# Altium PCB MB1936.PcbDoc (part 10 of 13) (continued)
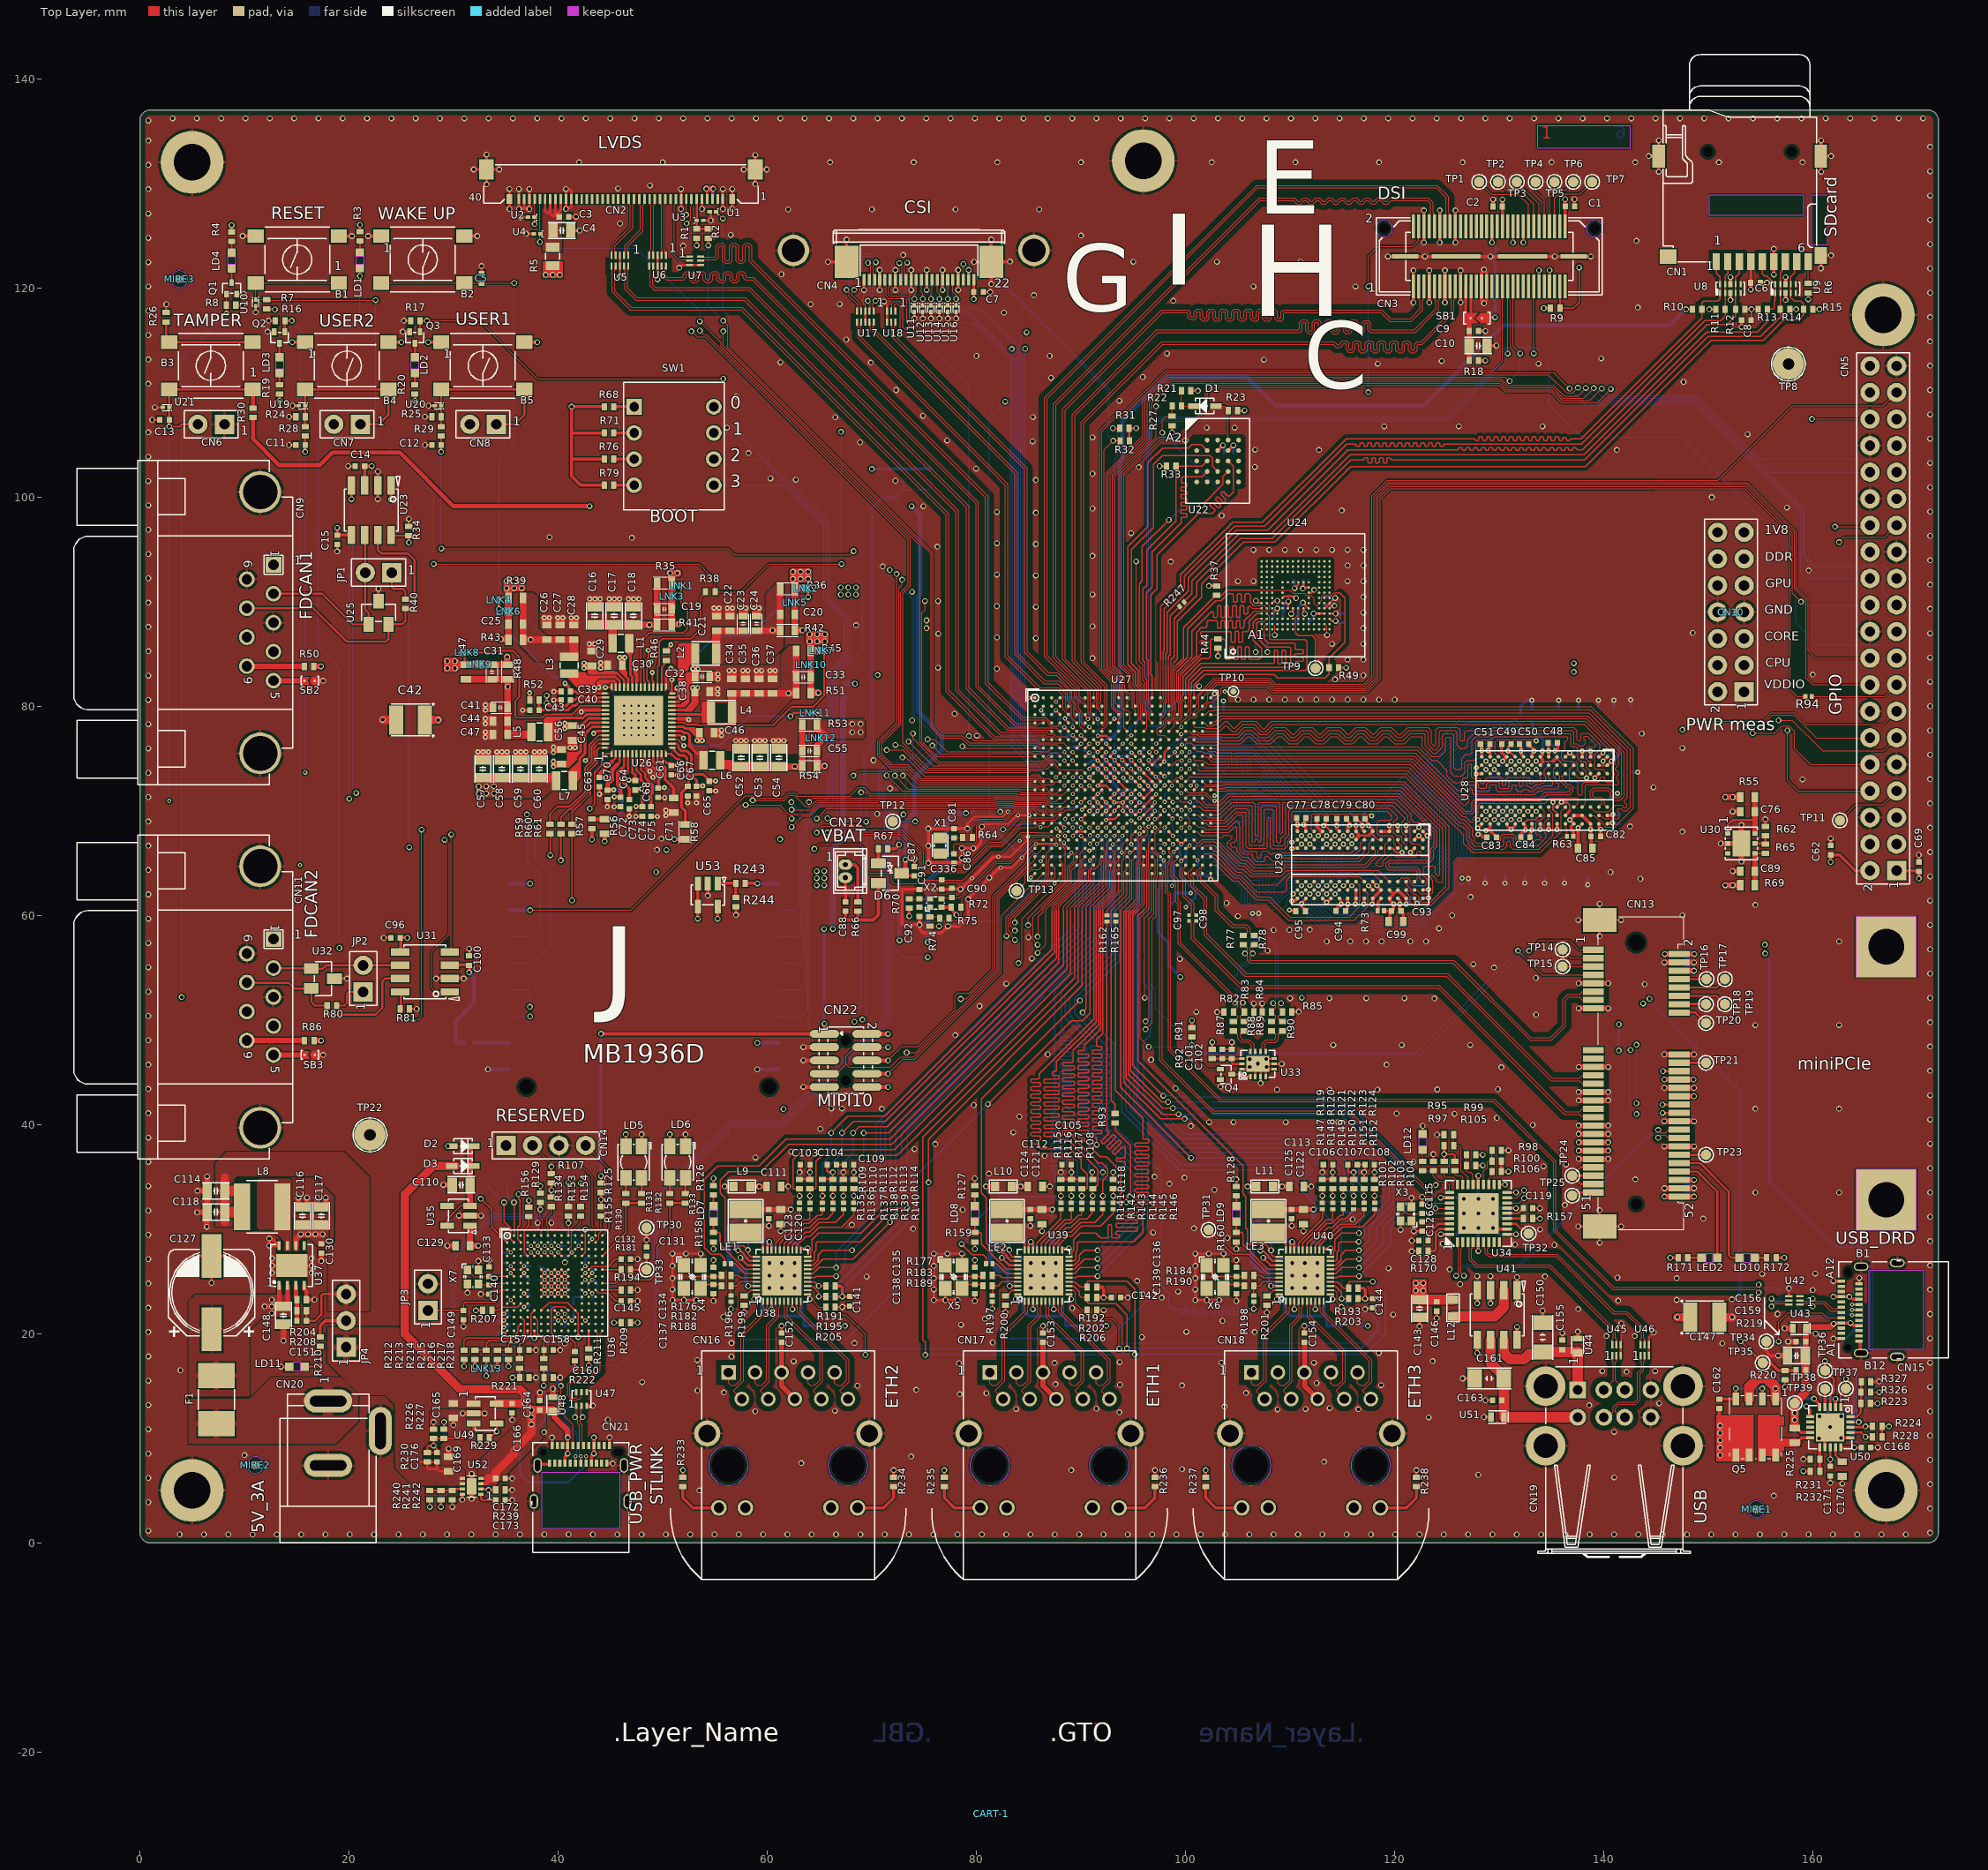
[diagram p0: Top Layer view]
## Nets (pads, with @x,y where several pads share a name; then routed paths per layer and width w, separated by ;. In a path a pad name is that pad's centre, name@x,y a point inside that pad or via, vN(x,y) a via of type N, cw(c..) or ccw(c..) an arc to the next point about the centre after c; other vN are vias at no path point) (continued)
NetR138_2: R138.2 U38.24 | length 6.4
  Top Layer w0.11: U38.24@62,28 62,28.525 63.587,30.113 64.012,30.113 64.875,30.975 65.75,30.975 66.275,31.5 R138.2@66.275,31.9
NetR139_2: R139.2 U38.23 | length 7
  Top Layer w0.11: U38.23@62.4,28 62.4,28.45 63.662,29.713 64.037,29.713 64.95,30.625 66.5,30.625 67.275,31.4 R139.2@67.275,31.9
NetR140_2: R140.2 U38.22 | length 7.7
  Top Layer w0.11: U38.22@62.8,28 62.8,28.425 63.712,29.338 64.112,29.338 64.95,30.175 67.1,30.175 68.275,31.35 R140.2@68.275,31.9
NetR141_2: R141.2 U39.27 | length 4.8
  Top Layer w0.11: U39.27@85.8,28 85.8,28.675 88.075,30.95 R141.2@88.075,31.9
NetR142_2: R142.2 U39.26 | length 5.4
  Top Layer w0.11: U39.26@86.2,28 86.2,28.65 88.45,30.9 88.95,30.9 89.075,31.025 R142.2@89.075,31.9
NetR143_2: R143.2 U39.25 | length 5.7
  Top Layer w0.11: U39.25@86.6,28 86.6,28.6 88.525,30.525 88.975,30.525 89.775,31.325 90.011,31.325 90.075,31.389 R143.2@90.075,31.9
NetR144_2: R144.2 U39.24 | length 6.2
  Top Layer w0.11: U39.24@87,28 87,28.525 88.587,30.113 89.012,30.113 89.875,30.975 90.55,30.975 91.075,31.5 R144.2@91.075,31.9
NetR145_2: R145.2 U39.23 | length 6.8
  Top Layer w0.11: U39.23@87.4,28 87.4,28.45 88.662,29.713 89.037,29.713 89.95,30.625 91.3,30.625 92.075,31.4 R145.2@92.075,31.9
NetR146_2: R146.2 U39.22 | length 7.4
  Top Layer w0.11: U39.22@87.8,28 87.8,28.425 88.712,29.338 89.112,29.338 90.075,30.3 91.875,30.3 93.075,31.5 R146.2@93.075,31.9
NetR147_2: R147.2 U40.27 | length 4.8
  Top Layer w0.11: U40.27@110.8,28 110.8,28.675 113.075,30.95 R147.2@113.075,31.9
NetR148_2: R148.2 U40.26 | length 5.4
  Top Layer w0.11: U40.26@111.2,28 111.2,28.65 113.45,30.9 113.95,30.9 114.075,31.025 R148.2@114.075,31.9
NetR149_2: R149.2 U40.25 | length 5.7
  Top Layer w0.11: U40.25@111.6,28 111.6,28.6 113.525,30.525 113.975,30.525 114.775,31.325 115.011,31.325 115.075,31.389 R149.2@115.075,31.9
NetR150_2: R150.2 U40.24 | length 6.1
  Top Layer w0.11: U40.24@112,28 112,28.525 113.587,30.113 114.012,30.113 114.875,30.975 115.3,30.975 115.924,31.599 115.924,31.755 116.069,31.9 R150.2@116.075,31.9
NetR151_2: R151.2 U40.23 | length 6.9
  Top Layer w0.11: U40.23@112.4,28 112.4,28.45 113.662,29.713 114.037,29.713 114.8,30.475 116.233,30.475 117.075,31.317 R151.2@117.075,31.9
NetR152_2: R152.2 U40.22 | length 7.5
  Top Layer w0.11: U40.22@112.8,28 112.8,28.425 113.712,29.338 114.112,29.338 114.975,30.2 116.925,30.2 118.075,31.35 R152.2@118.075,31.9
NetR155_2: R155.2 U36.B14 | length 2.7
  Top Layer w0.1: U36.B14@43.575,28.725 43.9,29.05 43.9,29.575 44.1,29.775 R155.2@44.1,31.25
NetR156_1: R156.1 U36.D4 | length 4.1
  Top Layer w0.12: U36.D4@37.075,27.425 36.75,27.75 36.75,29.9 37.2,30.35 R156.1@37.2,31.2
NetR157_1: R157.1 U34.13 | length 1.6
  Top Layer w0.2: U34.13@130.75,31 R157.1@132.311,31
NetR161_2: R161.2 U38.20 | length 38
  Top Layer w0.11: U38.20@63.85,27.35 64.1,27.35 64.145,27.395 64.145,27.837 64.28,27.972 64.28,28.98 64.915,29.615 68.965,29.615 71.325,31.975 v1(73.375,31.975)
  Bottom Layer w0.11: v1(73.375,31.975) 73.375,39.175 R161.2@86.475,52.275
NetR162_2: R162.2 U39.20 | length 60.5
  Top Layer w0.11: U39.20@88.85,27.35 89.1,27.35 89.145,27.395 89.145,27.837 89.28,27.972 89.28,28.98 89.915,29.615 91.385,29.615 91.85,29.15 92.431,29.15 92.486,29.15 92.577,29.241 92.577,30.329 92.668,30.42 92.85,30.42 92.941,30.329 92.941,29.241 93.032,29.15 93.277,29.15 93.6,29.15 93.673,29.223 93.673,29.352 93.582,29.443 93.44,29.443 93.349,29.534 93.349,29.716 93.44,29.807 95.34,29.807 95.431,29.898 95.431,30.08 95.34,30.171 93.44,30.171 93.349,30.262 93.349,30.444 93.44,30.535 95.34,30.535 95.431,30.626 95.431,30.808 95.34,30.899 93.44,30.899 93.349,30.99 93.349,31.172 93.44,31.263 95.34,31.263 95.431,31.354 95.431,31.536 95.34,31.627 93.836,31.627 93.745,31.718 93.745,32.005 93.745,33.32 94.25,33.825 94.25,36.356 94.159,36.447 93.483,36.447 93.392,36.538 93.392,36.72 93.483,36.811 94.159,36.811 94.25,36.902 94.25,37.425 94.25,37.725 94.103,37.872 93.975,37.872 93.256,37.153 93.128,37.153 92.999,37.282 92.999,37.411 93.8,38.211 93.8,38.34 93.671,38.469 93.542,38.469 92.741,37.668 92.613,37.668 92.484,37.797 92.484,37.925 93.285,38.726 93.285,38.855 93.156,38.983 93.027,38.983 92.227,38.183 92.098,38.183 91.969,38.311 91.969,38.44 92.688,39.159 92.688,39.287 92.596,39.379 92.557,39.418 92.475,39.5 R162.2@92.475,59.4
NetR163_2: R163.2 U40.20 | length 50.8
  Top Layer w0.11: U40.20@113.85,27.35 114.1,27.35 114.145,27.395 114.145,27.837 114.28,27.972 114.28,28.98 114.915,29.615 v1(116.58,29.615)
  Bottom Layer w0.11: R163.2@95.975,55.8 95.975,53.514 96.65,52.839 96.65,48.575 96.013,47.938 96.013,42.93 99.868,39.075 115.375,39.075 118.968,35.482 118.968,33.018 116.58,30.63 v1(116.58,29.615)
NetR164_2: R164.2 U38.19 | length 38.3
  Top Layer w0.11: U38.19@63.85,26.95 64.37,26.95 64.49,27.07 64.49,27.78 64.64,27.93 64.64,28.64 64.79,28.79 68.915,28.79 71.475,31.35 v1(72.275,31.35)
  Bottom Layer w0.11: v1(72.275,31.35) 72.275,39.35 R164.2@85.838,52.913
NetR165_2: R165.2 U39.19 | length 60.9
  Top Layer w0.11: U39.19@88.85,26.95 89.37,26.95 89.49,27.07 89.49,27.78 89.64,27.93 89.64,28.64 89.79,28.79 95.015,28.79 95.9,29.675 95.9,31.9 95.9,31.955 95.809,32.046 95.27,32.046 95.179,32.137 95.179,32.319 95.27,32.41 96.37,32.41 96.461,32.501 96.461,32.683 96.37,32.774 95.27,32.774 95.179,32.865 95.179,33.047 95.27,33.138 96.37,33.138 96.461,33.229 96.461,33.411 96.37,33.502 95.27,33.502 95.179,33.593 95.179,33.775 95.27,33.866 96.37,33.866 96.461,33.957 96.461,34.139 96.37,34.23 95.27,34.23 95.179,34.321 95.179,34.503 95.27,34.594 96.37,34.594 96.461,34.685 96.461,34.867 96.37,34.958 95.27,34.958 95.179,35.049 95.179,35.231 95.27,35.322 96.37,35.322 96.461,35.413 96.461,35.595 96.37,35.686 95.27,35.686 95.179,35.777 95.179,35.959 95.27,36.05 96.37,36.05 96.461,36.141 96.461,36.323 96.37,36.414 95.27,36.414 95.179,36.505 95.179,36.687 95.27,36.778 96.37,36.778 96.461,36.869 96.461,37.051 96.37,37.142 95.27,37.142 95.179,37.233 95.179,37.415 95.27,37.506 96.37,37.506 96.461,37.597 96.461,37.779 96.37,37.87 95.27,37.87 95.179,37.961 95.179,38.143 95.27,38.234 96.37,38.234 96.461,38.325 96.461,38.507 96.37,38.598 95.991,38.598 95.9,38.689 95.9,38.762 95.9,40.65 93.319,43.231 93.319,59.394 R165.2@93.325,59.4
NetR166_2: R166.2 U40.19 | length 31
  Top Layer w0.11: U40.19@113.85,26.95 114.37,26.95 114.49,27.07 114.49,27.78 114.64,27.93 114.64,28.64 114.79,28.79 115.89,28.79 v1(116.565,28.79)
  Bottom Layer w0.11: R166.2@102.5,39.55 115.7,39.55 119.464,35.786 119.464,32.825 117.1,30.461 117.1,29.325 v1(116.565,28.79)
NetR167_2: R167.2 U38.18 | length 40.8
  Top Layer w0.11: U38.18@63.85,26.55 64.35,26.55 64.85,27.05 64.85,27.525 65.3,27.975 v1(68.1,27.975)
  Bottom Layer w0.11: v1(68.1,27.975) 71.275,31.15 71.275,39.65 R167.2@87.288,55.663
NetR168_2: R168.2 U39.18 | length 51.3
  Top Layer w0.11: U39.18@88.85,26.55 89.35,26.55 89.85,27.05 89.85,27.525 90.29,27.965 v1(91.58,27.965)
  Bottom Layer w0.11: R168.2@89.713,54.288 88.1,52.675 88.1,49.55 88.1,49.189 88.191,49.098 88.273,49.098 88.364,49.007 88.364,48.825 88.273,48.734 88.08,48.734 87.989,48.643 87.989,48.461 88.08,48.37 89.012,48.37 89.103,48.279 89.103,48.097 89.012,48.006 88.08,48.006 87.989,47.915 87.989,47.733 88.08,47.642 89.012,47.642 89.103,47.551 89.103,47.369 89.012,47.278 88.08,47.278 87.989,47.187 87.989,47.005 88.08,46.914 89.012,46.914 89.103,46.823 89.103,46.641 89.012,46.55 88.08,46.55 87.989,46.459 87.989,46.277 88.08,46.186 89.012,46.186 89.103,46.095 89.103,45.913 89.012,45.822 88.08,45.822 87.989,45.731 87.989,45.549 88.08,45.458 89.012,45.458 89.103,45.367 89.103,45.185 89.012,45.094 88.08,45.094 87.989,45.003 87.989,44.821 88.08,44.73 89.012,44.73 89.103,44.639 89.103,44.457 89.012,44.366 88.08,44.366 87.989,44.275 87.989,44.093 88.08,44.002 89.012,44.002 89.103,43.911 89.103,43.729 89.012,43.638 88.08,43.638 87.989,43.547 87.989,43.365 88.08,43.274 89.012,43.274 89.103,43.183 89.103,43.001 89.012,42.91 88.191,42.91 88.1,42.819 88.1,42.4 88.1,42.25 94.975,35.375 94.975,31.36 v1(91.58,27.965)
NetR169_2: R169.2 U40.18 | length 32.4
  Top Layer w0.11: U40.18@113.85,26.55 114.35,26.55 114.85,27.05 114.85,27.525 115.29,27.965 v1(116.58,27.965)
  Bottom Layer w0.11: R169.2@102.5,40.986 114.789,40.986 119.875,35.9 119.875,32.5 117.557,30.182 117.557,28.943 v1(116.58,27.965)
NetR170_2: R170.2 U34.35 | length 3.9
  Top Layer w0.2: R170.2@123.2,27.875 123.75,27.875 123.925,28.05 123.925,29.697 124.228,30 U34.35@125.25,30
NetR173_2: R173.2 U38.17 | length 39.5
  Top Layer w0.11: U38.17@63.85,26.15 64.34,26.15 65.33,27.14 68.19,27.14 v1(71.725,30.675)
  Bottom Layer w0.11: v1(71.725,30.675) 71.725,39.45 R173.2@86.563,54.288
NetR174_2: R174.2 U39.17 | length 51
  Top Layer w0.11: U39.17@88.85,26.15 89.34,26.15 90.33,27.14 v1(91.58,27.14)
  Bottom Layer w0.11: R174.2@91.088,55.013 88.5,52.425 88.5,50.225 90.425,48.3 90.425,48.075 90.425,47.828 90.334,47.737 89.781,47.737 89.69,47.646 89.69,47.464 89.781,47.373 90.452,47.373 90.543,47.282 90.543,47.1 90.452,47.009 89.781,47.009 89.69,46.918 89.69,46.736 89.781,46.645 90.452,46.645 90.543,46.554 90.543,46.372 90.452,46.281 89.781,46.281 89.69,46.19 89.69,46.008 89.781,45.917 90.452,45.917 90.543,45.826 90.543,45.644 90.452,45.553 89.781,45.553 89.69,45.462 89.69,45.28 89.781,45.189 90.452,45.189 90.543,45.098 90.543,44.916 90.452,44.825 89.781,44.825 89.69,44.734 89.69,44.552 89.781,44.461 90.452,44.461 90.543,44.37 90.543,44.188 90.452,44.097 89.781,44.097 89.69,44.006 89.69,43.824 89.781,43.733 90.452,43.733 90.543,43.642 90.543,43.46 90.452,43.369 89.781,43.369 89.69,43.278 89.69,43.096 89.781,43.005 90.452,43.005 90.543,42.914 90.543,42.732 90.452,42.641 89.781,42.641 89.69,42.55 89.69,42.368 89.781,42.277 90.452,42.277 90.543,42.186 90.543,42.004 90.452,41.913 89.781,41.913 89.69,41.822 89.69,41.64 89.781,41.549 90.452,41.549 90.543,41.458 90.543,41.276 90.452,41.185 89.917,41.185 89.826,41.094 89.826,40.912 89.917,40.821 90.334,40.821 90.425,40.73 90.425,40.575 95.4,35.6 95.4,30.96 v1(91.58,27.14)
NetR175_2: R175.2 U40.17 | length 35.2
  Top Layer w0.11: U40.17@113.85,26.15 114.34,26.15 115.33,27.14 v1(116.58,27.14)
  Bottom Layer w0.11: R175.2@100.95,41.553 114.822,41.553 120.275,36.1 120.275,32.225 118.274,30.224 118.274,28.834 v1(116.58,27.14)
NetR176_2: R176.2 U38.35 | length 2.8
  Top Layer w0.11: R176.2@56.525,26.7 56.925,26.7 57.875,25.75 U38.35@58.95,25.75
NetR177_2: R177.2 U39.35 | length 2.8
  Top Layer w0.11: R177.2@81.525,26.7 81.925,26.7 82.875,25.75 U39.35@83.95,25.75
NetR178_2: R178.2 U38.16 | length 41.3
  Top Layer w0.11: U38.16@63.85,25.75 64.375,25.75 64.94,26.315 v1(66.58,26.315)
  Bottom Layer w0.11: v1(66.58,26.315) 66.58,27.855 70.375,31.65 70.375,40.05 R178.2@86.638,56.313
NetR179_2: R179.2 U39.16 | length 49.6
  Top Layer w0.11: U39.16@88.85,25.75 89.375,25.75 89.94,26.315 v1(91.58,26.315)
  Bottom Layer w0.11: R179.2@90.363,53.638 88.925,52.2 88.925,50.425 91.525,47.825 91.525,47.7 91.525,47.578 91.434,47.487 91.002,47.487 90.911,47.396 90.911,47.214 91.002,47.123 91.653,47.123 91.744,47.032 91.744,46.85 91.653,46.759 91.002,46.759 90.911,46.668 90.911,46.486 91.002,46.395 91.653,46.395 91.744,46.304 91.744,46.122 91.653,46.031 91.002,46.031 90.911,45.94 90.911,45.758 91.002,45.667 91.653,45.667 91.744,45.576 91.744,45.394 91.653,45.303 91.002,45.303 90.911,45.212 90.911,45.03 91.002,44.939 91.653,44.939 91.744,44.848 91.744,44.666 91.653,44.575 91.002,44.575 90.911,44.484 90.911,44.302 91.002,44.211 91.653,44.211 91.744,44.12 91.744,43.938 91.653,43.847 91.002,43.847 90.911,43.756 90.911,43.574 91.002,43.483 91.653,43.483 91.744,43.392 91.744,43.21 91.653,43.119 91.002,43.119 90.911,43.028 90.911,42.846 91.002,42.755 91.653,42.755 91.744,42.664 91.744,42.482 91.653,42.391 91.002,42.391 90.911,42.3 90.911,42.118 91.002,42.027 91.653,42.027 91.744,41.936 91.744,41.754 91.653,41.663 91.002,41.663 90.911,41.572 90.911,41.39 91.002,41.299 91.653,41.299 91.744,41.208 91.744,41.026 91.653,40.935 91.002,40.935 90.911,40.844 90.911,40.662 91.002,40.571 91.434,40.571 91.525,40.48 91.525,40.425 91.525,40.15 95.825,35.85 95.825,30.56 v1(91.58,26.315)
NetR180_2: R180.2 U40.16 | length 35.2
  Top Layer w0.11: U40.16@113.85,25.75 114.375,25.75 114.94,26.315 v1(116.58,26.315)
  Bottom Layer w0.11: R180.2@102.5,42.147 114.778,42.147 120.675,36.25 120.675,31.95 118.913,30.188 118.913,28.648 v1(116.58,26.315)
NetR181_1: R181.1 U36.F15 | length 1.8
  Top Layer w0.12: U36.F15@44.225,26.125 R181.1@46.025,26.125
NetR182_2: R182.2 U38.36 | length 2.5
  Top Layer w0.11: R182.2@56.525,25.575 57.2,25.575 57.425,25.35 U38.36@58.95,25.35
NetR183_2: R183.2 U39.36 | length 2.5
  Top Layer w0.11: R183.2@81.525,25.575 82.2,25.575 82.425,25.35 U39.36@83.95,25.35
NetR184_2: R184.2 U40.36 | length 2.5
  Top Layer w0.11: R184.2@106.525,25.575 107.2,25.575 107.425,25.35 U40.36@108.95,25.35
NetR185_2: R185.2 U38.15 | length 40.2
  Top Layer w0.11: U38.15@63.85,25.35 64.5,25.35 64.64,25.49 v1(66.58,25.49)
  Bottom Layer w0.11: v1(66.58,25.49) 67.45,26.36 67.45,28.05 70.825,31.425 70.825,39.85 R185.2@85.913,54.938
NetR186_2: R186.2 U39.15 | length 48.3
  Top Layer w0.11: U39.15@88.85,25.35 89.5,25.35 89.64,25.49 v1(91.58,25.49)
  Bottom Layer w0.11: v1(91.58,25.49) 96.325,30.235 96.325,35.95 92.6,39.675 92.6,40 92.6,40.055 92.509,40.146 92.161,40.146 92.07,40.237 92.07,40.419 92.161,40.51 92.641,40.51 92.732,40.601 92.732,40.783 92.641,40.874 92.161,40.874 92.07,40.965 92.07,41.147 92.161,41.238 92.641,41.238 92.732,41.329 92.732,41.511 92.641,41.602 92.161,41.602 92.07,41.693 92.07,41.875 92.161,41.966 92.641,41.966 92.732,42.057 92.732,42.239 92.641,42.33 92.161,42.33 92.07,42.421 92.07,42.603 92.161,42.694 92.641,42.694 92.732,42.785 92.732,42.967 92.641,43.058 92.161,43.058 92.07,43.149 92.07,43.331 92.161,43.422 92.641,43.422 92.732,43.513 92.732,43.695 92.641,43.786 92.161,43.786 92.07,43.877 92.07,44.059 92.161,44.15 92.641,44.15 92.732,44.241 92.732,44.423 92.641,44.514 92.161,44.514 92.07,44.605 92.07,44.787 92.161,44.878 92.641,44.878 92.732,44.969 92.732,45.151 92.641,45.242 92.161,45.242 92.07,45.333 92.07,45.515 92.161,45.606 92.641,45.606 92.732,45.697 92.732,45.879 92.641,45.97 92.161,45.97 92.07,46.061 92.07,46.243 92.161,46.334 92.641,46.334 92.732,46.425 92.732,46.607 92.641,46.698 92.161,46.698 92.07,46.789 92.07,46.971 92.161,47.062 92.509,47.062 92.6,47.153 92.6,47.275 92.6,47.4 89.375,50.625 89.375,52 R186.2@91.738,54.363
NetR187_2: R187.2 U40.15 | length 38.2
  Top Layer w0.11: U40.15@113.85,25.35 114.5,25.35 114.64,25.49 v1(116.58,25.49)
  Bottom Layer w0.11: R187.2@100.95,42.625 114.906,42.625 ; 114.904,42.55 121.075,36.379 121.075,31.675 119.6,30.2 119.6,28.51 v1(116.58,25.49)
NetR188_2: R188.2 R196.2 U38.37 | length 3.5
  Top Layer w0.11: R196.2@56.525,23.65 R188.2@56.525,24.575 57.05,24.575 57.455,24.98 58.95,24.98 U38.37@58.95,24.95
NetR189_2: R189.2 R197.2 U39.37 | length 3.5
  Top Layer w0.11: R197.2@81.525,23.65 R189.2@81.525,24.575 82.05,24.575 82.455,24.98 83.95,24.98 U39.37@83.95,24.95
NetR190_2: R190.2 R198.2 U40.37 | length 3.5
  Top Layer w0.11: R198.2@106.525,23.65 R190.2@106.525,24.575 107.05,24.575 107.455,24.98 108.95,24.98 U40.37@108.95,24.95
NetR194_1: R194.1 U36.J15 | length 1.8
  Top Layer w0.12: U36.J15@44.225,24.175 R194.1@46.025,24.175
NetR199_1: R199.1 U38.39 | length 1.4
  Top Layer w0.15: R199.1@57.775,23.6 57.87,23.6 58.42,24.15 U38.39@58.95,24.15
NetR200_1: R200.1 U39.39 | length 1.4
  Top Layer w0.15: R200.1@82.775,23.6 82.87,23.6 83.42,24.15 U39.39@83.95,24.15
NetR201_1: R201.1 U40.39 | length 1.4
  Top Layer w0.15: R201.1@107.775,23.6 107.87,23.6 108.42,24.15 U40.39@108.95,24.15
NetR211_2: R211.2 U36.R13 | length 1.7
  Top Layer w0.2: R211.2@42.925,18.555 U36.R13@42.925,20.275
NetR212_1: R212.1 U36.P3 | length 7.3
  Top Layer w0.12: R212.1@31,18.425 31,19.325 31.25,19.575 35.56,19.575 36.125,20.14 36.125,20.625 U36.P3@36.425,20.925
NetR223_1: R223.1 R326.2 R327.2 U50.20 | length 3.8
  Top Layer w0.2: U50.20@163.575,12.05 164.175,12.05 164.575,12.45 R223.1@164.575,13.225 ; R223.1@164.595,13.325 164.597,13.328 R326.2@164.597,14.327 ; R326.2@164.6,14.4 164.613,14.412 164.613,15.212 R327.2@164.65,15.25
NetR231_1: R231.1 R232.2 U50.11 | length 2.3
  Top Layer w0.3: R232.2@160.65,6.845 R231.1@160.65,8 U50.11@160.65,9.125
NetR240_1: R240.1 R241.1 R242.1 U52.7 | length 3.2
  Top Layer w0.2: R240.1@27.72,5 R241.1@28.795,5 R242.1@29.87,5 30.02,5.15 U52.7@30.825,5.15
NetR243_2: R243.2 R244.2 U53.1 | length 3.1
  Top Layer w0.3: U53.1@55.263,63.038 55.287,63.063 R243.2@56.988,63.063 56.988,61.712 R244.2@57,61.7
NetR250_1: R250.1 U27.E8 | length 2.6
  Top Layer w0.09: v2@90.8,78 U27.E8@91.2,77.6
  Bottom Layer w0.2: R250.1@89.875,79.4 89.875,78.575 90.05,78.4 90.4,78.4 v2(90.8,78)
NetR251_1: R251.1 U27.E6 | length 2.1
  Top Layer w0.1: v2(89.2,78) U27.E6@89.6,77.6
  Bottom Layer w0.2: R251.1@88.825,79.4 88.868,79.358 88.868,79.033 89.2,78.7 v2(89.2,78)
NetR262_2: R262.2 U27.K16 | length 1.4
  Top Layer w0.11: U27.K16@97.6,73.6 97.657,73.6 v2@97.966,73.291
  Bottom Layer w0.11: R262.2@97.924,74.149 97.978,74.096 v2(97.975,73.3)
NetR274_1: R274.1 U27.V16 | length 1.2
  Top Layer w0.1: U27.V16@97.6,67.2 v2(98,66.8)
  Bottom Layer w0.2: R274.1@97.35,66.825 97.375,66.8 v2(98,66.8)
NetR285_2: R285.2 U27.Y20 | length 1.1
  Top Layer w0.09: U27.Y20@100.8,65.6 v2@101.138,65.262
  Bottom Layer w0.09: R285.2@101.15,64.75 R285.2@101.2,64.7
  Bottom Layer w0.3: R285.2@101.15,64.75 v2(101.15,65.275)
NetR287_1: R287.1 U27.V17 | length 5.6
  Top Layer w0.1: U27.V17@98.4,67.2 v2(98.8,66.8)
  Bottom Layer w0.1: R287.1@98.05,62.075 98.05,62.731 98.465,63.146 98.465,66.465 v2(98.8,66.8)
NetTP9_1: TP9.1 U24.H5 | length 7.4
  Top Layer w0.09: 110.525,87 110.525,88.468 110.775,88.718 U24.H5@110.775,89.35
  Top Layer w0.11: 110.525,87 110.775,86.75 112.106,86.75 112.43,86.426 TP9.1@112.43,83.629
NetTP10_1: TP10.1 U27.L20 | length 11.7
  Top Layer w0.1: v2(100.5,72.4) 100.5,72.45 100.8,72.75 U27.L20@100.8,72.8 ; v2(103.75,81.4) TP10.1@104.575,81.4
  Signal Layer 2 w0.1: v2(100.5,72.4) 100.5,73 101.05,73.55 101.05,78.7 v2(103.75,81.4)
NetTP12_1: TP12.1 U27.U4 | length 16.5
  Top Layer w0.1: TP12.1@72,68.975 v1(74.15,68.975) ; v2@87.6,68.4 U27.U4@88,68
  Signal Layer 2 w0.1: v1(74.15,68.975) 87,68.975 v2(87.675,68.3)
NetTP26_1: TP26.1 U36.B2 | length 6.4
  Top Layer w0.12: v1(34.825,32.55) 34.825,30.725 35.475,30.075 35.475,29.025 U36.B2@35.775,28.725
  Bottom Layer w0.12: TP26.1@33.25,34.125 v1(34.825,32.55)
NetTP27_1: TP27.1 U36.B3 | length 6
  Top Layer w0.12: v1(36.2,33.325) 36.2,32.875 36.35,32.725 36.35,30.386 36.125,30.161 36.125,29.025 U36.B3@36.425,28.725
  Bottom Layer w0.12: v1(36.2,33.325) TP27.1@37,34.125
NetTP28_1: TP28.1 U36.B1 | length 7
  Top Layer w0.12: v1(32.6,32.9) 33.625,31.875 33.625,30.225 U36.B1@35.125,28.725
  Bottom Layer w0.12: TP28.1@31.375,34.125 v1(32.6,32.9)
NetTP29_1: TP29.1 U36.A2 | length 5
  Top Layer w0.12: U36.A2@35.775,29.375 35.775,31.7 v1(35.775,32.55)
  Bottom Layer w0.12: TP29.1@35.125,34.125 35.125,33.2 v1(35.775,32.55)
NetTP31_1: TP31.1 U40.35 | length 8.5
  Top Layer w0.11: TP31.1@102.2,29.925 104.525,27.6 106.025,27.6 106.925,26.7 107.875,25.75 U40.35@108.95,25.75
NetTP32_1: TP32.1 U34.12 | length 2.4
  Top Layer w0.2: U34.12@130.75,30.5 131.6,30.5 132.025,30.075 132.311,30.075 TP32.1@132.811,29.575
NetTP38_1: TP38.1 U50.4 | length 1.7
  Top Layer w0.3: U50.4@161.15,12.975 TP38.1@161.15,14.704
NJTRST: TP13.1 U27.AA2 | length 4
  Top Layer w0.1: TP13.1@83.838,62.335 84.635,63.132 84.635,63.791 85.244,64.4 86,64.4 U27.AA2@86.4,64.8
NRST: B1.1 B1.2 C336.2 CN22.10 R7.1 R21.1 R38.1 R212.2 U10.1 U27.U3 | length 289.9
  Top Layer w0.09: 85.884,67.915 85.894,67.905 87.105,67.905 U27.U3@87.2,68
  Top Layer w0.1: B1.1@19.023,120.45 B1.2@11.073,120.45 U10.1@11.073,118.875 R7.1@12.123,118.875 12.173,118.825 v1(22.55,118.825) ; v1(28.1,93.6) 53.475,93.6 55,92.075 55,90.927 57.477,90.927 60.15,93.6 v1(67.1,93.6) ; v1(64.5,66.35) 64.95,66.8 68.825,66.8 69.275,66.35 69.275,64.375 69.625,64.025 71.625,64.025 71.85,63.8 71.85,63.275 72.1,63.025 74.65,63.025 75,63.375 78.765,63.375 81.44,66.05 82.468,66.05 84.332,67.915 85.884,67.915
  Top Layer w0.15: v1(31,16.88) R212.2@31,17.525
  Top Layer w0.2: R21.1@100.5,110.15 v1(101.175,110.15)
  Top Layer w0.4: CN22.10@69.535,43.585 71.545,43.585 v1(71.55,43.58)
  Signal Layer 2 w0.1: v1(31,16.88) 31,18.475 33.525,21 33.525,23.26 34.15,23.885 34.15,33.017 35.978,34.845 40.387,34.845 41.067,35.525 44.7,35.525 45.5,34.725 48.95,34.725 52.136,34.725 58.461,41.05 61.125,41.05 v1(61.55,41.475) 61.975,41.05 69.02,41.05 v1(71.55,43.58) ; v1(67.05,106.225) 68,107.175 96,107.175 97.575,105.6 98.825,105.6 101.175,107.95 v1(101.175,110.15)
  Bottom Layer w0.1: v1(22.55,118.825) 22.55,105.925 28.1,100.375 v1(28.1,93.6) ; v1(61.55,41.475) 62.142,41.475 64.075,43.408 64.075,65.925 v1(64.5,66.35) 65.3,66.35 66.675,67.725 66.675,83 69.1,85.425 69.1,91.6 v1(67.1,93.6) 67.1,106.175 v1(67.05,106.225)
NRSTC1MS: D5.2 R22.1 R27.1 R59.1 R272.1 U27.T3 | length 135
  Top Layer w0.1: v2(86.131,68.44) 86.45,68.44 86.49,68.48 86.88,68.48 U27.T3@87.2,68.8 ; v1(97.768,106.15) 97.768,107.384 98.109,107.725 R27.1@98.709,107.725 R22.1@98.709,108.7
  Top Layer w0.15: R59.1@39.225,67.8 39.25,67.775 v1(39.25,65.75)
  Signal Layer 2 w0.1: v1(39.25,65.75) 39.275,65.725 56.233,65.725 56.608,66.1 63.225,66.1 64.05,66.925 64.875,66.925 65.7,66.1 72.582,66.1 72.755,66.273 74.15,66.273 75.402,67.525 83.075,67.525 83.99,68.44 v2(86.131,68.44) ; v1(82.75,109.125) 86.75,109.125 88.5,107.375 96.543,107.375 v1(97.768,106.15)
  Bottom Layer w0.1: v1(82.75,109.125) 81.245,107.62 81.245,69.692 82.237,68.7 R272.1@84.1,68.7 85.87,68.7 v2(86.131,68.44) ; v1(97.768,106.15) 104.175,99.743 D5.2@104.175,90.77
OSC32_IN: C86.1 U27.R1 X1.2 | length 12.2
  Top Layer w0.09: C86.1@77.85,65.9 77.85,66.725 78,66.875 79.835,66.875 80,67.04 80,68.544 80.444,68.988 82.817,68.988 83.735,69.905 85.295,69.905 U27.R1@85.6,69.6
  Top Layer w0.1: X1.2@76.525,65.9 C86.1@77.85,65.9
OSC32_OUT: R64.1 U27.R2 | length 8.7
  Top Layer w0.09: R64.1@79.6,67.45 79.6,68.413 80.365,69.178 81.172,69.178 ; 81.172,69.175 82.75,69.175 83.66,70.085 85.532,70.085 86.017,69.6 U27.R2@86.4,69.6
PA0_WKUP: U26.32 U27.Y2 | length 60.1
  Top Layer w0.09: v2(86.15,65.175) 86.376,65.401 86.376,65.576 U27.Y2@86.4,65.6
  Top Layer w0.15: v3(49,83.227) 49,82.48 49.1,82.38 U26.32@49.1,81.797
  Signal Layer 2 w0.1: v1(49.375,64.125) 49.875,64.625 55.981,64.625 56.856,65.5 69.775,65.5 70.9,64.375 78.6,64.375 79.4,65.175 v2(86.15,65.175)
  Bottom Layer w0.1: v3(49,83.227) 49,81.8 49.675,81.125 49.675,72.75 48.825,71.9 48.825,64.675 v1(49.375,64.125)
PCIE.CLKIN_N: R83.1 R88.2 R288.2 U27.AA18 | length 20.8
  Top Layer w0.09: U27.AA18@99.2,64.8 99.166,64.834 98.961,64.834 98.875,64.749 98.875,63.825 99.3,63.4 99.3,61.425 99.525,61.2 99.525,57.395 104.445,52.475 104.901,52.475 105.225,52.151 105.225,51.903 105.475,51.653 v1(105.475,51.648) 105.225,51.398 105.225,51.213 105.32,51.118 105.415,51.118 105.625,50.908 R83.1@105.625,50.813 ; R88.2@105.625,49.84 105.415,50.05 105.281,50.05 105.225,50.106 105.225,50.252 105.225,50.365 105.32,50.46 105.415,50.46 R83.1@105.625,50.67
  Bottom Layer w0.09: v1(105.475,51.648) 105.475,51.653 105.225,51.903 105.225,52.912 105.278,52.965 105.415,52.965 R288.2@105.625,53.175
PCIE.CLKIN_P: R82.1 R87.2 R328.2 U27.Y18 | length 21.5
  Top Layer w0.09: U27.Y18@99.2,65.6 99.192,65.592 99.192,65.381 99.035,65.224 98.997,65.224 98.625,64.852 98.625,63.721 99.05,63.296 99.05,61.321 99.275,61.096 99.275,57.291 104.342,52.225 104.797,52.225 104.975,52.047 104.975,51.903 104.725,51.653 v1(104.725,51.648) 104.975,51.398 104.975,51.213 104.88,51.118 104.785,51.118 104.575,50.908 R82.1@104.575,50.813 ; R87.2@104.575,49.84 104.785,50.05 104.919,50.05 104.975,50.106 104.975,50.365 104.88,50.46 104.785,50.46 R82.1@104.575,50.67
  Bottom Layer w0.09: R328.2@104.575,53.175 104.785,52.965 104.922,52.965 104.975,52.912 104.975,51.903 104.725,51.653 v1(104.725,51.648)
PCIE.CLKOUT_N: CN13.11 R78.2 R84.2 R89.2 R288.1 | length 56.2
  Top Layer w0.09: v1@106.425,56.335 v1@106.425,56.345 ; R78.2@106.575,57.175 106.365,56.965 106.231,56.965 106.175,56.909 106.175,56.615 106.425,56.365 v1(106.425,56.35) v1@106.425,56.345 ; R89.2@108.225,49.84 108.435,50.05 108.569,50.05 108.625,50.106 108.625,50.252 108.625,50.365 108.53,50.46 108.435,50.46 108.225,50.67 R84.2@108.225,50.765 108.225,50.86 108.435,51.07 108.53,51.07 108.625,51.165 108.625,51.35 v1(108.375,51.6) ; CN13.11@139,52.7 137.955,52.7 137.68,52.425 136.55,52.425 136.1,51.975 136.1,49.5 134.9,48.3 133.025,48.3 125.645,55.68 106.27,55.68 106.175,55.775 106.175,56.095 v1@106.425,56.345
  Bottom Layer w0.09: R288.1@105.625,54.075 105.415,54.285 105.278,54.285 105.225,54.338 105.225,54.972 105.453,55.2 105.8,55.2 106.175,55.575 106.175,56.095 106.425,56.345 v1(106.425,56.35) 106.425,56.355 106.175,56.605 106.175,57.259 106.466,57.55 108.121,57.55 108.625,57.046 108.625,51.855 108.375,51.605 v1(108.375,51.6)
PCIE.CLKOUT_P: CN13.13 R77.2 R85.2 R90.2 R328.1 | length 57.4
  Top Layer w0.09: R77.2@105.525,57.175 105.735,56.965 105.87,56.965 105.925,56.909 105.925,56.615 105.675,56.365 v1(105.675,56.35) 105.675,56.345 105.925,56.095 105.925,55.7 106.175,55.45 125.55,55.45 132.95,48.05 135.004,48.05 136.35,49.396 136.35,51.871 136.654,52.175 137.523,52.175 137.68,52.175 137.955,51.9 CN13.13@139,51.9 ; v1(109.125,51.6) 108.875,51.35 108.875,51.165 108.97,51.07 109.065,51.07 109.275,50.86 R85.2@109.275,50.765 109.275,50.67 109.065,50.46 108.97,50.46 108.875,50.365 108.875,50.106 108.931,50.05 109.065,50.05 R90.2@109.275,49.84
  Bottom Layer w0.09: R328.1@104.575,54.075 104.785,54.285 104.922,54.285 104.975,54.338 104.975,55.076 105.349,55.45 105.696,55.45 105.925,55.679 105.925,56.095 105.675,56.345 v1(105.675,56.35) 105.675,56.355 105.925,56.605 105.925,57.363 106.362,57.8 108.225,57.8 108.875,57.15 108.875,51.855 109.125,51.605 v1(109.125,51.6)
PCIE.CLKREQN: CN13.7 Q4.1 R91.1 U27.U15 | length 73.2
  Top Layer w0.1: U27.U15@96.8,68 96.8,68.054 97.08,68.334 v2(97.08,68.4) ; R91.1@100.6,48.375 v1(100.6,47.605) 101.45,46.755 101.45,45.95 102.11,45.29 Q4.1@103.325,45.29 ; v1(131.8,56.6) 134.1,54.3 CN13.7@139,54.3
  Bottom Layer w0.1: 96.055,66.185 96.055,67.391 96.105,67.441 96.105,68.626 96.31,68.831 96.649,68.831 v2(97.08,68.4) ; 96.066,66.185 96.425,65.826 96.425,53.629 97.1,52.954 97.1,51.105 v1(100.6,47.605) 101.28,46.925 122.125,46.925 v1(131.8,56.6)
PCIE.NWAKE: CN13.1 U27.AA15 | length 65.9
  Top Layer w0.09: 96.515,60.625 96.515,64.317 96.8,64.602 U27.AA15@96.8,64.8
  Top Layer w0.1: v1(96.475,47.425) 95.675,48.225 95.675,59.8 96.5,60.625 ; v1(132.85,56.6) 133.85,57.6 136.725,57.6 137.625,56.7 CN13.1@139,56.7
  Bottom Layer w0.1: v1(96.475,47.425) 100.1,47.425 100.8,46.725 122.526,46.725 132.401,56.6 v1(132.85,56.6)
PCIE.RSTN: CN13.22 R96.1 U27.M2 | length 112.6
  Top Layer w0.09: 81.172,72.285 85.732,72.285 86.017,72 U27.M2@86.4,72
  Top Layer w0.1: v1(72.954,73.358) 74.027,72.285 81.172,72.285
  Top Layer w0.2: v1(145.656,45.1) CN13.22@147.243,45.1
  Signal Layer 2 w0.1: v1(75.35,56) 84.34,56 84.975,55.365 87.893,55.365 88.472,54.787 94.702,54.787 97.756,51.733 97.756,49.244 100.275,46.725 140.608,46.725 142.233,45.1 v1(145.656,45.1)
  Bottom Layer w0.1: v1(72.954,73.358) 73.275,73.037 R96.1@73.275,72.125 73.275,71.4 72.075,70.2 72.075,56.925 73,56 v1(75.35,56)
PCIE.RX1_N: CN13.23 U27.AB20 | length 49.4
  Top Layer w0.09: U27.AB20@100.76,64.04 100.709,63.989 100.588,63.989 100.535,63.937 100.535,63.79 100.775,63.55 100.775,62.875 101.4,62.25 101.469,62.181 102.03,61.62 102.03,58.673 102.03,58.22 105.825,54.425 125.054,54.425 127.112,52.367 135.054,44.425 137.68,44.425 137.955,44.7 CN13.23@139,44.7